# Altium PCB Zenit Stand PCB_2.PcbDoc (part 2 of 2)
Units mm, origin at the board's own origin, x right, y up, seen from the top; angles counter-clockwise.
Board outline 177.55 x 120.61 mm, 2 copper layers (Top Layer, Bottom Layer); 178 components, 270 nets, 816 pads, 93 vias.
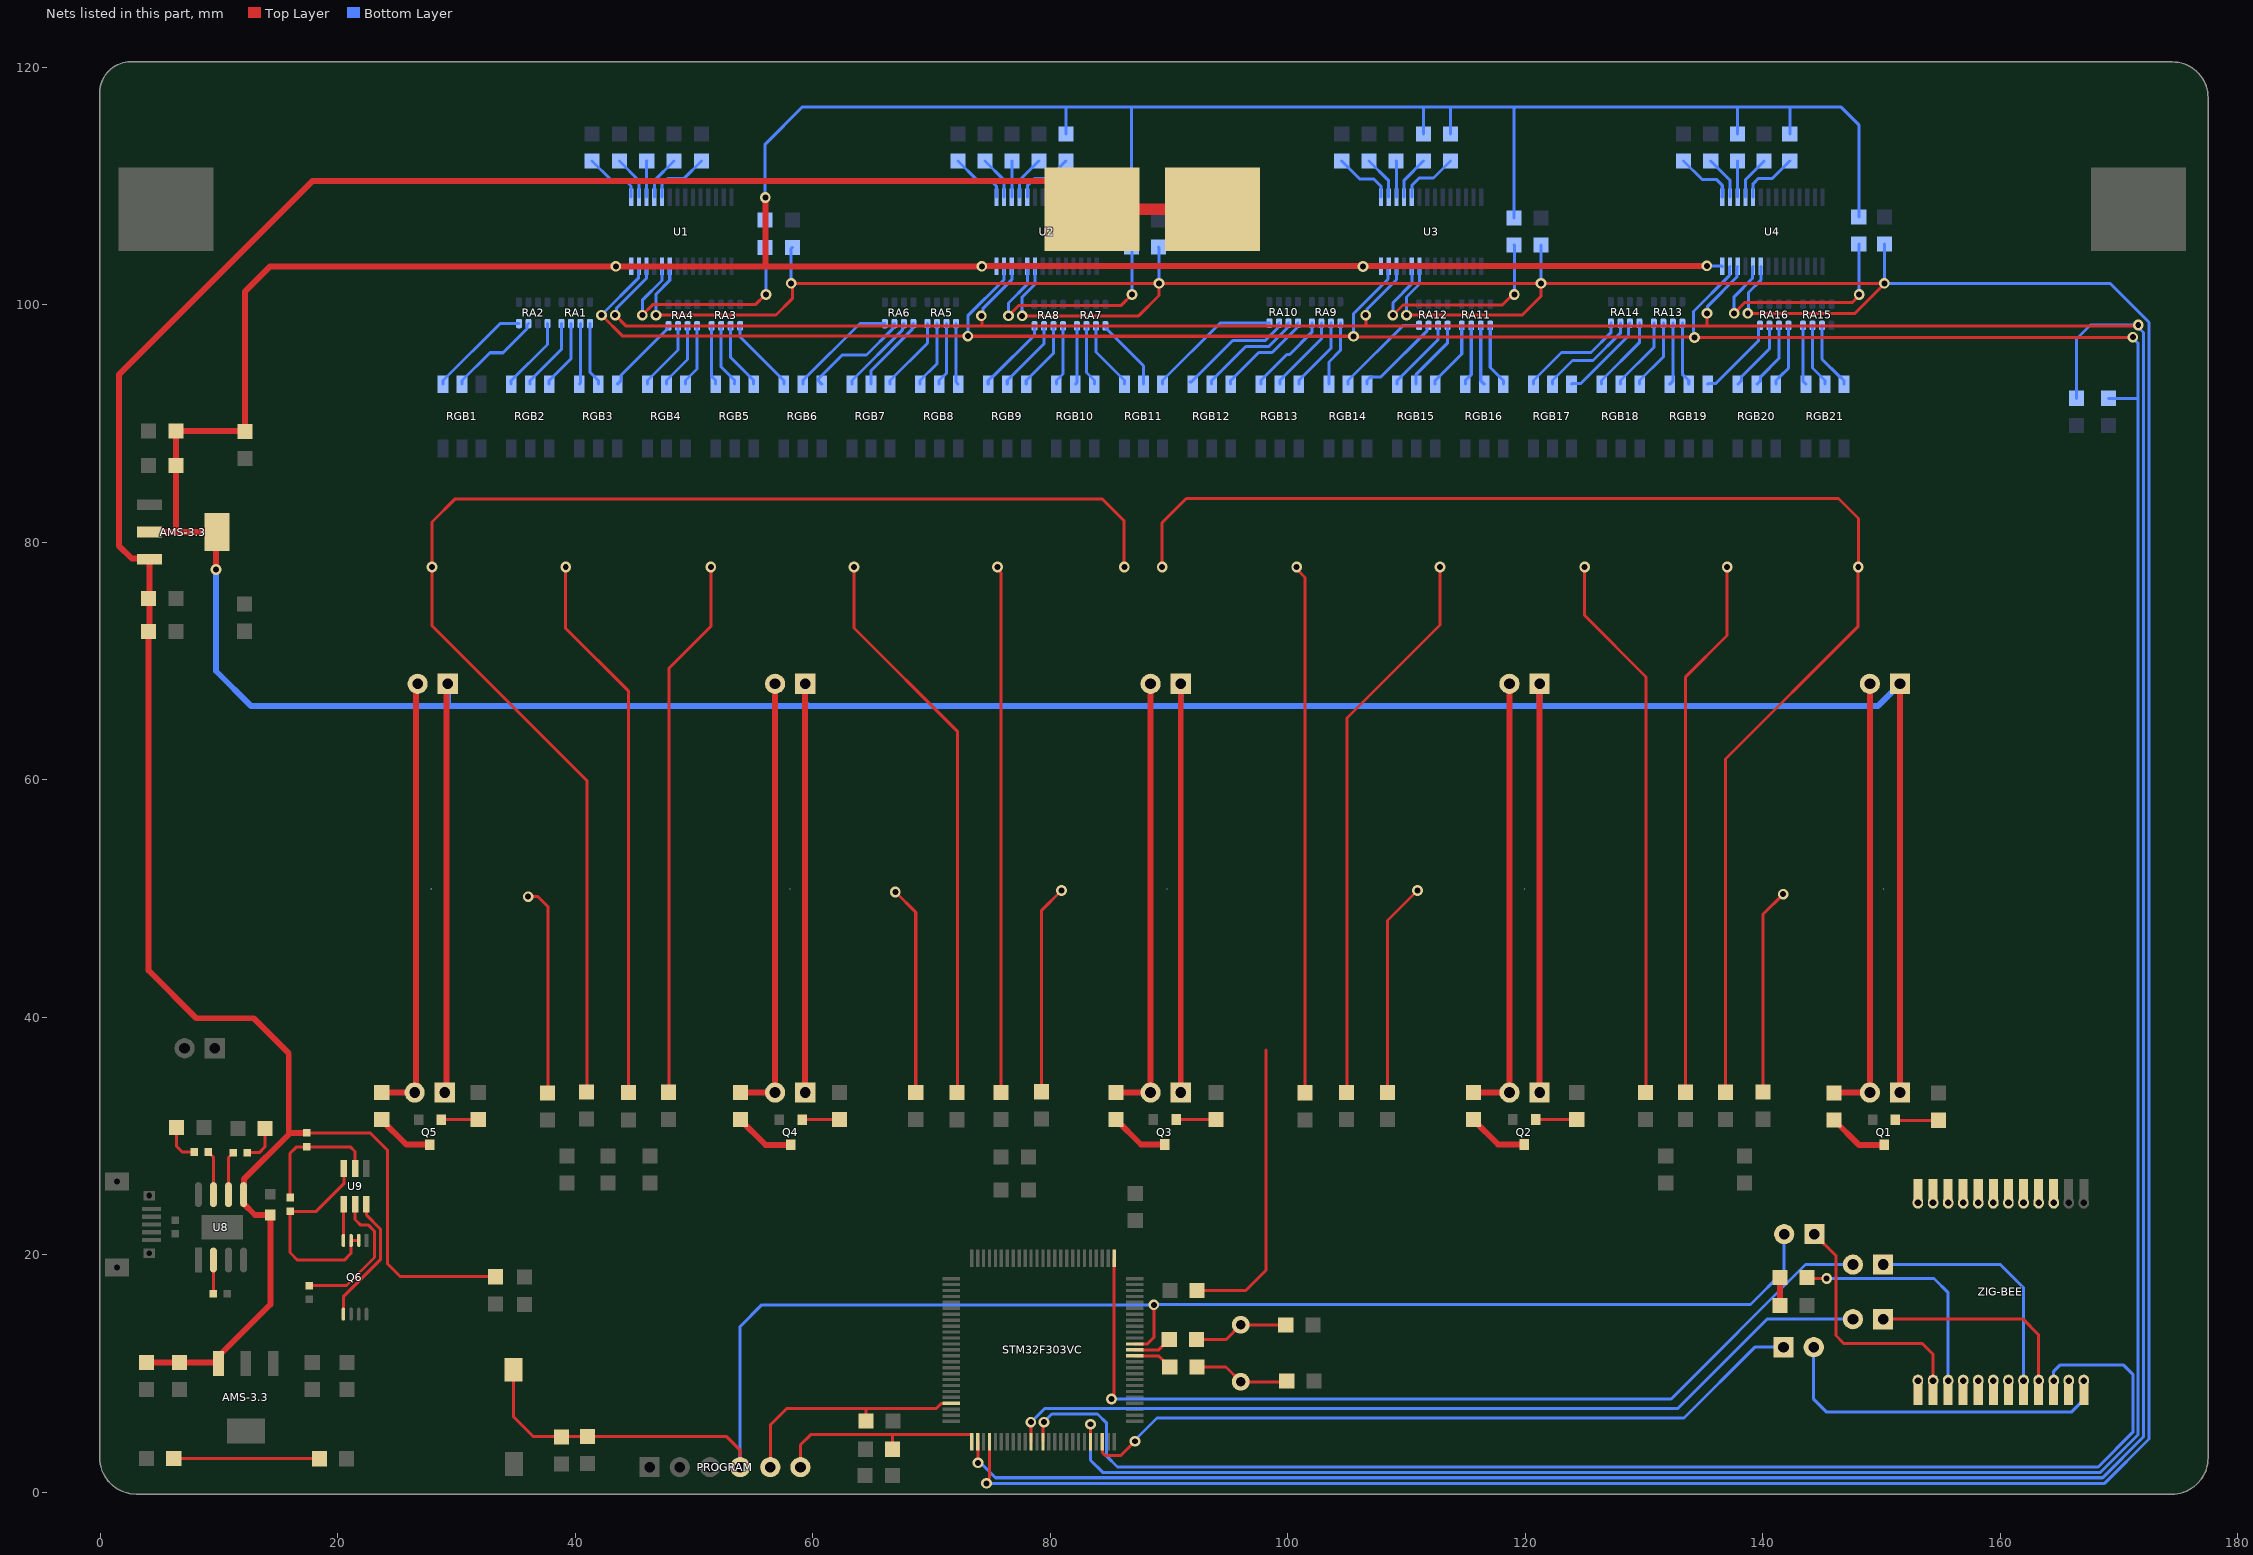
[diagram p2: the nets of this part, all layers, seen from the top]

## Via types
v1: diameter 0.9, hole 0.5, Top Layer to Bottom Layer, tented both sides, 93 vias

## Nets (pads, with @x,y where several pads share a name; then routed paths per layer and width w, separated by ;. In a path a pad name is that pad's centre, name@x,y a point inside that pad or via, vN(x,y) a via of type N, cw(c..) or ccw(c..) an arc to the next point about the centre after c; other vN are vias at no path point) (continued)
LEDR2: RA2.3 RGB1.3 | length 8.1
  Bottom Layer w0.254: RGB1.3@30.474,93.332 30.474,93.632 32.82,95.979 33.915,95.979 35.939,98.002 35.939,98.318 RA2.3@36.062,98.441
LEDR3: RA2.4 RGB1.1 | length 8.7
  Bottom Layer w0.254: RGB1.1@28.873,93.332 28.873,93.632 33.682,98.441 RA2.4@35.262,98.441
LEDR4: RA1.3 RGB2.5 | length 5.9
  Bottom Layer w0.254: RGB2.5@37.813,93.332 37.813,93.632 39.649,95.469 RA1.3@39.649,98.441
LEDR5: RA1.4 RGB2.3 | length 6.2
  Bottom Layer w0.254: RGB2.3@36.213,93.332 36.213,93.632 38.849,96.269 RA1.4@38.849,98.441
LEDR6: RA2.1 RGB2.1 | length 6.4
  Bottom Layer w0.254: RGB2.1@34.613,93.332 34.613,93.632 37.662,96.681 RA2.1@37.662,98.441
LEDR7: RA4.8 RGB3.5 | length 6.7
  Bottom Layer w0.254: RGB3.5@43.552,93.332 43.875,93.655 43.875,94.101 47.866,98.093 RA4.8@47.866,98.243
LEDR8: RA1.1 RGB3.3 | length 5.4
  Bottom Layer w0.254: RA1.1@41.249,98.441 41.249,94.335 41.952,93.632 RGB3.3@41.952,93.332
LEDR9: RA1.2 RGB3.1 | length 5.1
  Bottom Layer w0.254: RGB3.1@40.352,93.332 40.449,93.43 RA1.2@40.449,98.441
LEDR10: RA4.5 RGB4.5 | length 5.3
  Bottom Layer w0.254: RGB4.5@49.291,93.332 49.291,93.632 50.266,94.608 RA4.5@50.266,98.243
LEDR11: RA4.6 RGB4.3 | length 5.6
  Bottom Layer w0.254: RGB4.3@47.691,93.332 47.691,93.632 49.466,95.408 RA4.6@49.466,98.243
LEDR12: RA4.7 RGB4.1 | length 6
  Bottom Layer w0.254: RGB4.1@46.091,93.332 46.091,93.632 48.666,96.208 RA4.7@48.666,98.243
LEDR13: RA3.6 RGB5.5 | length 5.7
  Bottom Layer w0.254: RA3.6@53.092,98.243 53.092,95.57 55.03,93.632 RGB5.5@55.03,93.332
LEDR14: RA3.7 RGB5.3 | length 5.4
  Bottom Layer w0.254: RA3.7@52.292,98.243 52.292,94.77 53.43,93.632 RGB5.3@53.43,93.332
LEDR15: RA3.8 RGB5.1 | length 5.1
  Bottom Layer w0.254: RA3.8@51.492,98.243 51.492,93.97 51.83,93.632 RGB5.1@51.83,93.332
LEDR16: RA6.3 RGB6.5 | length 9.1
  Bottom Layer w0.254: RGB6.5@60.77,93.332 60.51,93.592 60.51,93.803 62.492,95.785 64.538,95.785 66.755,98.002 66.755,98.318 RA6.3@66.878,98.441
LEDR17: RA6.4 RGB6.3 | length 9.2
  Bottom Layer w0.254: RGB6.3@59.169,93.332 59.169,93.632 63.978,98.441 RA6.4@66.078,98.441
LEDR18: RA3.5 RGB6.1 | length 6.4
  Bottom Layer w0.254: RA3.5@53.892,98.243 53.892,97.309 57.569,93.632 RGB6.1@57.569,93.332
LEDR19: RA5.4 RGB7.5 | length 6.4
  Bottom Layer w0.254: RGB7.5@66.509,93.332 66.509,93.632 69.666,96.79 RA5.4@69.666,98.441
LEDR20: RA6.1 RGB7.3 | length 6.6
  Bottom Layer w0.254: RGB7.3@64.908,93.332 64.908,94.463 68.355,97.91 68.355,98.318 RA6.1@68.478,98.441
LEDR21: RA6.2 RGB7.1 | length 6.9
  Bottom Layer w0.254: RGB7.1@63.308,93.332 63.308,93.632 67.555,97.879 67.555,98.318 RA6.2@67.678,98.441
LEDR22: RA5.1 RGB8.5 | length 5.2
  Bottom Layer w0.254: RA5.1@72.066,98.441 72.066,93.514 RGB8.5@72.248,93.332
LEDR23: RA5.2 RGB8.3 | length 5.4
  Bottom Layer w0.254: RGB8.3@70.648,93.332 70.648,93.632 71.266,94.251 RA5.2@71.266,98.441
LEDR24: RA5.3 RGB8.1 | length 5.7
  Bottom Layer w0.254: RGB8.1@69.047,93.332 69.047,93.632 70.466,95.051 RA5.3@70.466,98.441
LEDR25: RA8.6 RGB9.5 | length 5.9
  Bottom Layer w0.254: RGB9.5@77.987,93.332 77.987,93.632 80.283,95.928 RA8.6@80.283,98.243
LEDR26: RA8.7 RGB9.3 | length 6.2
  Bottom Layer w0.254: RGB9.3@76.387,93.332 76.387,93.632 79.483,96.729 RA8.7@79.483,98.243
LEDR27: RA8.8 RGB9.1 | length 6.6
  Bottom Layer w0.254: RGB9.1@74.786,93.332 74.786,93.632 75.109,93.955 75.177,93.955 78.683,97.462 RA8.8@78.683,98.243
LEDR28: RA7.7 RGB10.5 | length 5.2
  Bottom Layer w0.254: RA7.7@83.052,98.243 83.052,94.307 83.726,93.632 RGB10.5@83.726,93.332
LEDR29: RA7.8 RGB10.3 | length 5
  Bottom Layer w0.254: RGB10.3@82.126,93.332 82.252,93.458 RA7.8@82.252,98.243
LEDR30: RA8.5 RGB10.1 | length 5.1
  Bottom Layer w0.254: RGB10.1@80.526,93.332 80.526,93.632 81.083,94.19 RA8.5@81.083,98.243
LEDR31: RA10.4 RGB11.5 | length 11.3
  Bottom Layer w0.254: RGB11.5@89.465,93.332 89.465,93.632 94.307,98.474 RA10.4@98.463,98.474
LEDR32: RA7.5 RGB11.3 | length 6.2
  Bottom Layer w0.254: RA7.5@84.652,98.243 84.652,98.093 87.865,94.879 RGB11.3@87.865,93.332
LEDR33: RA7.6 RGB11.1 | length 5.9
  Bottom Layer w0.254: RA7.6@83.852,98.243 83.852,96.045 86.265,93.632 RGB11.1@86.265,93.332
LEDR34: RA10.1 RGB12.5 | length 8.1
  Bottom Layer w0.254: RGB12.5@95.204,93.332 95.204,93.632 97.568,95.996 98.7,95.996 100.74,98.036 100.74,98.351 RA10.1@100.863,98.474
LEDR35: RA10.2 RGB12.3 | length 8.9
  Bottom Layer w0.254: RGB12.3@93.604,93.332 93.604,93.632 96.475,96.504 98.011,96.504 98.408,96.504 99.94,98.036 99.94,98.351 RA10.2@100.063,98.474
LEDR36: RA10.3 RGB12.1 | length 9.7
  Bottom Layer w0.254: RGB12.1@91.792,93.497 91.868,93.497 95.383,97.012 98.116,97.012 99.14,98.036 99.14,98.351 RA10.3@99.263,98.474
LEDR37: RA9.2 RGB13.5 | length 6.3
  Bottom Layer w0.254: RGB13.5@100.943,93.332 100.943,93.632 103.638,96.327 RA9.2@103.638,98.474
LEDR38: RA9.3 RGB13.3 | length 6.6
  Bottom Layer w0.254: RGB13.3@99.343,93.332 99.343,93.632 102.838,97.127 RA9.3@102.838,98.474
LEDR39: RA9.4 RGB13.1 | length 7.1
  Bottom Layer w0.254: RGB13.1@97.743,93.332 97.743,93.632 99.935,95.824 100.169,95.824 102.038,97.693 RA9.4@102.038,98.474
LEDR40: RA12.7 RGB14.5 | length 7.6
  Bottom Layer w0.254: RGB14.5@106.683,93.332 106.683,93.632 107.006,93.955 107.869,93.955 111.751,97.837 111.751,98.153 RA12.7@111.874,98.276
LEDR41: RA12.8 RGB14.3 | length 8.2
  Bottom Layer w0.254: RGB14.3@105.082,93.332 105.082,93.632 109.726,98.276 RA12.8@111.074,98.276
LEDR42: RA9.1 RGB14.1 | length 5.5
  Bottom Layer w0.254: RGB14.1@103.482,93.332 103.482,95.208 104.438,96.164 RA9.1@104.438,98.474
LEDR43: RA11.8 RGB15.5 | length 5.9
  Bottom Layer w0.254: RGB15.5@112.422,93.332 112.422,93.632 114.662,95.873 RA11.8@114.662,98.276
LEDR44: RA12.5 RGB15.3 | length 6
  Bottom Layer w0.254: RGB15.3@110.821,93.332 110.821,94.159 113.474,96.812 RA12.5@113.474,98.276
LEDR45: RA12.6 RGB15.1 | length 6.4
  Bottom Layer w0.254: RGB15.1@109.221,93.332 109.221,93.632 112.674,97.085 RA12.6@112.674,98.276
LEDR46: RA11.5 RGB16.5 | length 5.4
  Bottom Layer w0.254: RA11.5@117.062,98.276 117.062,94.731 118.161,93.632 RGB16.5@118.161,93.332
LEDR47: RA11.6 RGB16.3 | length 5.1
  Bottom Layer w0.254: RA11.6@116.262,98.276 116.262,93.631 RGB16.3@116.561,93.332
LEDR48: RA11.7 RGB16.1 | length 5.2
  Bottom Layer w0.254: RGB16.1@114.96,93.332 114.96,93.632 115.462,94.134 RA11.7@115.462,98.276
LEDR49: RA14.2 RGB17.5 | length 7.6
  Bottom Layer w0.254: RGB17.5@123.9,93.332 123.976,93.408 124.708,93.408 128.693,97.394 128.693,98.351 RA14.2@128.816,98.474
LEDR50: RA14.3 RGB17.3 | length 8.5
  Bottom Layer w0.254: RGB17.3@122.3,93.332 122.3,93.632 123.987,95.32 125.724,95.32 128.016,97.612 RA14.3@128.016,98.474
LEDR51: RA14.4 RGB17.1 | length 9.3
  Bottom Layer w0.254: RGB17.1@120.7,93.332 120.7,93.632 123.067,95.999 125.552,95.999 127.216,97.663 RA14.4@127.216,98.474
LEDR52: RA13.3 RGB18.5 | length 6
  Bottom Layer w0.254: RGB18.5@129.639,93.332 129.639,93.632 131.636,95.629 RA13.3@131.636,98.474
LEDR53: RA13.4 RGB18.3 | length 6.3
  Bottom Layer w0.254: RGB18.3@128.039,93.332 128.039,93.632 130.836,96.429 RA13.4@130.836,98.474
LEDR54: RA14.1 RGB18.1 | length 6.5
  Bottom Layer w0.254: RGB18.1@126.439,93.332 126.439,93.632 129.616,96.81 RA14.1@129.616,98.474
LEDR55: RA16.8 RGB19.5 | length 7.1
  Bottom Layer w0.254: RGB19.5@135.378,93.332 135.434,93.388 136.06,93.388 139.654,96.982 139.654,98.153 RA16.8@139.776,98.276
LEDR56: RA13.1 RGB19.3 | length 5.4
  Bottom Layer w0.254: RA13.1@133.236,98.474 133.236,94.175 133.778,93.632 RGB19.3@133.778,93.332
LEDR57: RA13.2 RGB19.1 | length 5.2
  Bottom Layer w0.254: RGB19.1@132.178,93.332 132.436,93.59 RA13.2@132.436,98.474
LEDR58: RA16.5 RGB20.5 | length 5.4
  Bottom Layer w0.254: RGB20.5@141.117,93.332 141.117,93.632 141.44,93.955 141.448,93.955 142.177,94.684 RA16.5@142.177,98.276
LEDR59: RA16.6 RGB20.3 | length 5.7
  Bottom Layer w0.254: RGB20.3@139.517,93.332 139.84,93.655 139.84,93.968 141.376,95.504 RA16.6@141.376,98.276
LEDR60: RA16.7 RGB20.1 | length 6
  Bottom Layer w0.254: RGB20.1@137.917,93.332 138.24,93.655 138.24,93.98 140.577,96.317 RA16.7@140.577,98.276
LEDR61: RA15.6 RGB21.5 | length 5.7
  Bottom Layer w0.254: RA15.6@145.002,98.276 145.002,95.441 146.487,93.955 146.533,93.955 146.856,93.632 RGB21.5@146.856,93.332
LEDR62: RA15.7 RGB21.3 | length 5.4
  Bottom Layer w0.254: RA15.7@144.202,98.276 144.202,94.686 145.256,93.632 RGB21.3@145.256,93.332
LEDR63: RA15.8 RGB21.1 | length 5
  Bottom Layer w0.254: RA15.8@143.402,98.276 143.402,93.586 RGB21.1@143.656,93.332
Net40_1: Q5.1 R40.1@31.839,31.394 | length 3.1
  Top Layer w0.254: Q5.1@28.718,31.385 28.728,31.394 R40.1@31.839,31.394
NetC1_2: C1.2 OSC1.2 R35.2 | length 8.1
  Top Layer w0.254: R35.2@92.361,10.56 94.812,10.56 OSC1.2@96.05,9.322 99.873,9.322 C1.2@99.924,9.373
NetC2_2: C2.2 OSC1.1 R36.2 | length 8
  Top Layer w0.254: R36.2@92.316,12.89 94.818,12.89 OSC1.1@96.05,14.122 99.835,14.122 C2.2@99.841,14.116
NetC21_1: C21.1 Q6.2 Q6.3 U9.6 | length 17.6
  Top Layer w0.254: U9.6@20.514,27.282 20.514,25.988 18.199,23.673 C21.1@15.988,23.673 15.988,20.201 16.624,19.564 20.555,19.564 21.126,20.136 Q6.3@21.126,21.222 Q6.2@21.776,21.222
NetC21_2: C21.2 R74.2 U9.5 | length 11
  Top Layer w0.254: C21.2@15.988,24.841 15.988,28.555 16.542,29.108 R74.2@17.411,29.108 21.063,29.108 21.464,28.707 U9.5@21.464,27.282
NetLED1_1: LED.1@6.198,2.864 R1.2@18.466,2.839 | length 12.3
  Top Layer w0.254: LED.1@6.21,2.851 R1.2@18.453,2.851
  Top Layer w0.5: LED.1@6.198,2.864 LED.1@6.21,2.851 ; R1.2@18.453,2.851 R1.2@18.466,2.839
NetLED2_1: LED.1@141.461,15.735 R8.2 | length 2.4
  Top Layer w0.254: LED.1@141.453,15.743 LED.1@141.461,15.735
  Top Layer w0.5: LED.1@141.453,15.743 R8.2@141.453,18.098
NetLED3_2: LED.2@149.034,33.68 LED.2@149.034,68.097 R18.1 | length 37.5
  Top Layer w0.5: R18.1@146.012,33.655 146.024,33.668 149.022,33.668 LED.2@149.034,33.68 LED.2@149.034,68.097
NetLED5_2: LED.2@118.681,33.68 LED.2@118.681,68.097 R20.1 | length 37.5
  Top Layer w0.5: R20.1@115.633,33.68 118.681,33.68 LED.2@118.681,68.097
NetLED7_2: LED.2@88.456,33.68 LED.2@88.456,68.097 R22.1 | length 37.3
  Top Layer w0.5: R22.1@85.56,33.68 88.455,33.68 LED.2@88.456,68.097
NetLED9_2: LED.2@56.832,33.68 LED.2@56.832,68.097 R24.1 | length 37.3
  Top Layer w0.5: R24.1@53.911,33.68 56.832,33.68 LED.2@56.832,68.097
NetLED11_2: LED.2@26.479,33.68 LED.2@26.733,68.097 R26.1 | length 37.3
  Top Layer w0.5: R26.1@23.711,33.68 LED.2@26.479,33.68 ; LED.2@26.607,33.807 LED.2@26.607,67.97
  Top Layer w1: LED.2@26.479,33.68 LED.2@26.607,33.807 ; LED.2@26.607,67.97 LED.2@26.733,68.097
NetLED13_2: LED.2@6.44,30.74 R68.1 | length 3.3
  Top Layer w0.254: LED.2@6.44,30.74 6.44,29.133 6.902,28.67 R68.1@7.925,28.67
NetLED14_2: LED.2@13.889,30.639 R69.1 | length 3.2
  Top Layer w0.254: R69.1@12.389,28.619 13.399,28.619 13.889,29.11 LED.2@13.889,30.639
NetQ1_1: Q1.1 R19.1 | length 3.7
  Top Layer w0.254: Q1.1@151.178,31.378 151.213,31.344 R19.1@154.8,31.344
  Top Layer w0.5: R19.1@154.783,31.361 R19.1@154.8,31.344
NetQ1_3: Q1.3 R18.2 | length 5.1
  Top Layer w0.5: R18.2@146.012,31.369 148.103,29.278 Q1.3@150.228,29.278
NetQ2_1: Q2.1 R21.1 | length 3.5
  Top Layer w0.254: Q2.1@120.876,31.404 120.886,31.394 R21.1@124.346,31.394
  Top Layer w0.5: R21.1@124.341,31.399 R21.1@124.346,31.394
NetQ2_3: Q2.3 R20.2 | length 5.2
  Top Layer w0.5: R20.2@115.633,31.394 117.724,29.304 Q2.3@119.926,29.304
NetQ3_1: Q3.1 R23.1 | length 3.4
  Top Layer w0.254: Q3.1@90.599,31.404 90.609,31.394 R23.1@93.967,31.394
  Top Layer w0.5: R23.1@93.963,31.399 R23.1@93.967,31.394
NetQ3_3: Q3.3 R22.2 | length 5
  Top Layer w0.5: R22.2@85.564,31.399 R22.2@85.56,31.394 87.651,29.304 Q3.3@89.649,29.304
NetQ4_1: Q4.1 R25.1 | length 3.1
  Top Layer w0.254: Q4.1@59.103,31.378 59.119,31.394 R25.1@62.243,31.394
NetQ4_3: Q4.3 R24.2 | length 5.1
  Top Layer w0.5: R24.2@53.911,31.394 56.028,29.278 Q4.3@58.153,29.278
NetQ5_3: Q5.3 R26.2 | length 5
  Top Layer w0.5: R26.2@23.711,31.394 23.715,31.399 23.681,31.399 25.795,29.285 Q5.3@27.768,29.285
NetQ6_4: Q6.4 U9.1 | length 3.1
  Top Layer w0.254: Q6.4@20.476,21.222 20.485,21.23 20.485,24.253 U9.1@20.514,24.282
NetQ6_5: Q6.5 U9.3 | length 11
  Top Layer w0.254: Q6.5@20.476,15.022 20.476,16.476 23.597,19.596 23.597,22.195 22.441,23.35 22.441,24.256 U9.3@22.414,24.282
NetR3_2: R3.2 | length 44.6
  Top Layer w0.254: v1(100.755,77.94) 100.755,77.765 101.46,77.06 101.46,36.411 R3.2@101.46,33.661
NetR4_2: R4.2 | length 44.4
  Top Layer w0.254: v1(75.565,77.94) 75.565,77.765 75.851,77.479 75.851,36.081 R4.2@75.851,33.655
NetR5_2: R5.2 | length 47.9
  Top Layer w0.254: v1(63.487,77.94) 63.487,72.796 72.18,64.103 R5.2@72.18,33.674
NetR6_2: R27.2 Touch4.1 | length 17.6
  Top Layer w0.254: v1(66.967,50.571) 68.682,48.857 R27.2@68.682,33.687
NetR7_2: R7.2 | length 116.9
  Top Layer w0.254: v1(89.427,77.94) 89.427,81.655 91.472,83.699 146.393,83.699 148.076,82.017 v1@148.076,77.94 ; R7.2@136.881,33.655 136.881,33.706 136.881,61.766 148.05,72.936 v1(148.05,77.94)
NetR8_1: R8.1 ZIG-BEE.B10 | length 19.8
  Top Layer w0.254: R8.1@143.739,18.098 143.822,18.015 v1(145.396,18.015)
  Bottom Layer w0.254: v1(145.396,18.015) 147.533,18.015 ccw(c147.606,19.19) 147.678,18.015 149.158,18.015 149.16,18.013 151.131,18.013 151.133,18.015 154.426,18.015 155.62,16.82 ZIG-BEE.B10@155.62,9.41
NetR68_2: R68.2 U8.7 | length 3.8
  Top Layer w0.254: R68.2@9.093,28.67 9.537,28.227 U8.7@9.537,25.077
NetR69_2: R69.2 U8.6 | length 3.7
  Top Layer w0.254: U8.6@10.807,25.077 10.807,28.206 R69.2@11.22,28.619
NetR70_2: R70.2 U8.2 | length 2.8
  Top Layer w0.254: R70.2@9.537,16.739 U8.2@9.537,19.577
NetR71_2: R71.2 U9.2 | length 12
  Top Layer w0.254: R71.2@17.614,17.424 20.739,17.424 23.108,19.793 23.108,22.009 22.612,22.504 21.939,22.504 21.464,22.979 U9.2@21.464,24.282
NetU7_B4: TXD.1 ZIG-BEE.B4 | length 17.5
  Top Layer w0.254: TXD.1@150.146,14.592 161.938,14.592 163.24,13.29 ZIG-BEE.B4@163.24,9.41
NetU7_B5: RXD.1 ZIG-BEE.B5 | length 20.5
  Bottom Layer w0.254: RXD.1@150.146,19.19 160.02,19.19 161.97,17.239 ZIG-BEE.B5@161.97,9.41
NewNet1: ZIG-BEE.A3
NewNet2: ZIG-BEE.A4
NewNet3: ZIG-BEE.A5
NewNet4: ZIG-BEE.A6
NewNet5: ZIG-BEE.A7
NewNet6: ZIG-BEE.A8
NewNet7: ZIG-BEE.A9
NewNet8: ZIG-BEE.A10
NewNet9: ZIG-BEE.A11
NewNet10: ZIG-BEE.A12
NewNet11: ZIG-BEE.B12
NewNet12: ZIG-BEE.B9
NewNet13: ZIG-BEE.B8
NewNet14: ZIG-BEE.B7
NewNet15: ZIG-BEE.B6
NewNet16: ZIG-BEE.B2
NewNet17: R6.2 | length 45.7
  Top Layer w0.254: R6.2@133.521,33.655 133.521,68.688 137.008,72.174 v1(137.008,77.94)
NewNet18: C8.2 Touch1.1 | length 17.4
  Top Layer w0.254: C8.2@140.011,33.655 140.011,48.666 v1(141.732,50.387)
NewNet19: R32.1 | length 47.5
  Top Layer w0.254: R32.1@104.997,33.68 104.997,65.214 112.833,73.05 v1(112.833,77.94)
NewNet20: R31.1 Touch2.1 | length 18.1
  Top Layer w0.254: R31.1@108.401,33.655 108.401,48.165 v1(110.934,50.698)
NewNet21: R30.2 | length 46.4
  Top Layer w0.254: v1(125.012,77.94) 125.012,73.85 130.181,68.682 R30.2@130.181,33.655
NewNet22: R34.1 Touch5.1 | length 17.1
  Top Layer w0.254: v1(36.036,50.178) 36.862,50.178 37.706,49.333 37.706,35.757 R34.1@37.706,34.258
NewNet23: R33.1 | length 116.7
  Top Layer w0.254: R33.1@41.008,34.176 41.008,59.912 27.94,72.981 27.94,81.724 29.896,83.68 84.366,83.68 86.201,81.844 86.201,77.991 v1(86.252,77.94)
  other v1: 27.94,77.94
NewNet24: R29.2 | length 45.9
  Top Layer w0.254: v1(39.205,77.94) 39.205,72.758 44.501,67.462 44.501,35.852 R29.2@44.501,34.214
NewNet25: R28.2 | length 45.2
  Top Layer w0.254: R28.2@47.885,34.252 47.885,35.82 47.885,69.386 51.429,72.93 v1(51.429,77.94)
NewNet26: R9.2 Touch3.1 | length 17.6
  Top Layer w0.254: R9.2@79.286,33.744 79.286,49.022 v1(80.962,50.698)
NRST: C7.2 NRST.2 PROGRAM.4 R2.2 RESET.1@34.816,10.333 STM32F303VC.14 | length 135
  Top Layer w0.254: RESET.1@34.816,10.333 34.816,6.357 36.443,4.731 38.856,4.731 41.053,4.731 52.718,4.731 53.892,3.556 PROGRAM.4@53.892,2.134 ; STM32F303VC.14@87.114,12.508 88.187,12.508 88.735,13.056 v1(88.735,15.805)
  Bottom Layer w0.254: PROGRAM.4@53.892,2.134 53.892,13.976 55.721,15.805 v1(88.735,15.805) 88.754,15.824 138.97,15.824 141.815,18.669 NRST.2@141.815,21.755
OE: R77.1 R78.1 R79.1 R80.1 STM32F303VC.79 U1.23 U2.23 U3.23 U4.23 | length 395.9
  Top Layer w0.254: v1(46.799,99.149) 56.909,99.149 58.287,100.527 v1@58.287,101.733 ; v1(58.191,101.829) v1(89.167,101.829) ; v1(74.632,0.768) 74.632,0.943 74.893,1.205 STM32F303VC.79@74.893,4.286 ; v1(77.641,99.085) 87.459,99.085 89.167,100.794 v1(89.167,101.829) ; v1(110.007,99.149) 119.761,99.149 121.342,100.73 v1(121.342,101.829) ; v1(138.748,99.301) 147.784,99.301 150.247,101.765 v1(150.247,101.829) v1(121.342,101.829) ; v1(89.167,101.829) v1(121.342,101.829)
  Bottom Layer w0.254: v1(46.799,99.149) 46.799,100.908 47.964,102.073 U1.23@47.964,103.251 ; v1(58.191,101.829) 58.191,104.762 R78.1@58.287,104.857 ; v1(74.632,0.768) 168.804,0.768 172.533,4.497 172.533,98.543 169.247,101.829 v1(150.247,101.829) 150.247,105.131 R77.1@150.254,105.137 ; v1(77.641,99.085) 77.641,100.672 78.724,101.754 U2.23@78.724,103.251 ; R80.1@89.116,104.877 89.167,104.826 v1(89.167,101.829) ; v1(110.007,99.149) 110.007,100.667 111.109,101.768 U3.23@111.109,103.251 ; R79.1@121.336,105.048 121.342,105.042 v1(121.342,101.829) ; v1(138.748,99.301) 138.811,99.365 138.811,101.048 139.849,102.086 U4.23@139.849,103.251
OSC_IN: R35.1 STM32F303VC.12 | length 3.4
  Top Layer w0.254: STM32F303VC.12@87.115,11.508 89.127,11.508 89.567,11.068 R35.1@90.075,10.56
OSC_OUT: R36.1 STM32F303VC.13 | length 3.3
  Top Layer w0.254: STM32F303VC.13@87.114,12.008 89.148,12.008 R36.1@90.03,12.89
P1.1: NRST.1 ZIG-BEE.B11 | length 20.4
  Top Layer w0.254: NRST.1@144.355,21.755 146.173,19.937 146.173,13.218 146.856,12.535 153.46,12.535 154.35,11.645 ZIG-BEE.B11@154.35,9.41
RES-GND1: R37.2 U1.1 | length 5.1
  Bottom Layer w0.254: R37.2@41.421,112.128 42.971,110.579 44.153,110.579 44.704,110.028 44.704,109.104 U1.1@44.714,109.093
RES-GND2: R38.2 U1.2 | length 3.7
  Bottom Layer w0.254: R38.2@43.725,112.128 45.364,110.488 U1.2@45.364,109.093
RES-GND3: R39.2 U1.3 | length 3
  Bottom Layer w0.254: U1.3@46.014,109.093 46.014,112.115 R39.2@46.028,112.128
RES-GND4: R40.2@48.331,112.128 U1.4 | length 3.7
  Bottom Layer w0.254: U1.4@46.664,109.093 46.664,110.461 R40.2@48.331,112.128
RES-GND5: R41.2 U1.5 | length 5.2
  Bottom Layer w0.254: U1.5@47.314,109.093 47.314,110.148 47.835,110.668 49.174,110.668 R41.2@50.635,112.128
RES-GND6: R42.2 U2.1 | length 5
  Bottom Layer w0.254: R42.2@72.238,112.128 73.813,110.553 74.939,110.553 75.464,110.028 75.464,109.103 U2.1@75.474,109.093
RES-GND7: R43.2 U2.2 | length 3.7
  Bottom Layer w0.254: R43.2@74.508,112.128 76.124,110.512 U2.2@76.124,109.093
RES-GND8: R45.2 U2.3 | length 3
  Bottom Layer w0.254: U2.3@76.774,109.093 76.774,112.124 R45.2@76.778,112.128
RES-GND9: R46.2 U2.4 | length 3.7
  Bottom Layer w0.254: U2.4@77.424,109.093 77.424,110.504 R46.2@79.048,112.128
RES-GND10: R47.2 U3.1 | length 5.1
  Bottom Layer w0.254: R47.2@104.553,112.128 105.572,111.109 106.071,110.611 107.258,110.611 107.845,110.024 107.845,109.107 U3.1@107.859,109.093
RES-GND11: R48.2 U3.2 | length 3.7
  Bottom Layer w0.254: R48.2@106.845,112.128 108.509,110.465 U3.2@108.509,109.093
RES-GND12: R49.2 U3.3 | length 3
  Bottom Layer w0.254: R49.2@109.138,112.128 109.159,112.107 U3.3@109.159,109.093
RES-GND13: R50.2 U4.1 | length 5.1
  Bottom Layer w0.254: R50.2@133.344,112.128 134.893,110.579 136.1,110.579 136.599,110.08 U4.1@136.599,109.093
RES-GND14: R51.2 U4.2 | length 3.7
  Bottom Layer w0.254: R51.2@135.63,112.128 137.249,110.509 U4.2@137.249,109.093
RES-GND15: R52.2 U4.4 | length 3.7
  Bottom Layer w0.254: U4.4@138.549,109.093 138.549,110.552 R52.2@140.125,112.128
RES-VCC1: R54.2 U1.24 | length 19.9
  Top Layer w0.254: v1(45.655,99.149) 46.531,100.025 55.162,100.025 56.026,100.889 v1(56.064,100.889)
  Bottom Layer w0.254: v1(45.655,99.149) 45.655,100.405 47.314,102.065 U1.24@47.314,103.251 ; R54.2@56.001,104.857 56.064,104.794 v1(56.064,100.889)
RES-VCC2: R55.2 U2.5 | length 5.1
  Bottom Layer w0.254: U2.5@78.074,109.093 78.074,110.052 78.67,110.649 79.839,110.649 R55.2@81.318,112.128
RES-VCC3: R56.2 U2.24 | length 20
  Top Layer w0.254: v1(76.497,99.085) 77.38,99.968 85.992,99.968 86.9,100.876 v1(86.9,100.889)
  Bottom Layer w0.254: v1(76.497,99.085) 76.497,100.17 78.074,101.746 U2.24@78.074,103.251 ; R56.2@86.855,104.877 86.9,104.832 v1(86.9,100.889)
RES-VCC4: R57.2 U3.4 | length 3.7
  Bottom Layer w0.254: U3.4@109.809,109.093 109.809,110.507 R57.2@111.43,112.128
RES-VCC5: R58.2 U3.5 | length 5.1
  Bottom Layer w0.254: U3.5@110.459,109.093 110.459,110.071 111.074,110.687 112.281,110.687 R58.2@113.722,112.128
RES-VCC6: R59.2 U3.24 | length 19.9
  Top Layer w0.254: v1(108.863,99.149) 109.714,100 118.072,100 v1@119.088,101.016
  Bottom Layer w0.254: v1(108.863,99.149) 108.863,100.185 110.459,101.781 U3.24@110.459,103.251 ; R59.2@119.075,105.048 119.088,105.036 v1(119.088,100.889)
RES-VCC7: R60.2 U4.3 | length 3
  Bottom Layer w0.254: R60.2@137.884,112.128 137.899,112.113 U4.3@137.899,109.093
RES-VCC8: R61.2 U4.5 | length 5
  Bottom Layer w0.254: U4.5@139.199,109.093 139.199,110.218 139.649,110.668 140.824,110.668 R61.2@142.285,112.128
RES-VCC9: R62.2 U4.24 | length 20.4
  Top Layer w0.254: v1(137.603,99.301) 138.524,100.222 147.574,100.222 148.126,100.774 v1(148.126,100.889)
  Bottom Layer w0.254: v1(137.603,99.301) 137.603,100.697 139.148,102.242 139.148,103.2 U4.24@139.199,103.251 ; R62.2@148.095,105.137 148.126,105.105 v1(148.126,100.889) v1@148.126,100.584
RXD: RXD.2 STM32F303VC.26 | length 79.1
  Top Layer w0.254: v1(85.164,7.868) 85.164,8.042 85.393,8.271 STM32F303VC.26@85.393,19.729
  Bottom Layer w0.254: v1(85.164,7.868) 132.296,7.868 143.618,19.19 RXD.2@147.606,19.19
SCL: R84.1 STM32F303VC.77 U1.26 U2.26 U3.26 U4.26 | length 358.6
  Top Layer w0.254: v1(43.366,99.149) 44.299,98.215 74.251,98.215 ; STM32F303VC.77@73.893,4.286 73.906,4.274 73.906,2.51 v1(73.927,2.489) ; v1(74.208,99.085) 74.251,99.043 74.251,98.215 ; v1(106.574,99.149) 106.585,99.138 106.585,98.215 ; v1(135.314,99.301) 135.314,98.215 ; v1(171.632,98.311) 171.536,98.215 135.314,98.215 ; 74.251,98.215 106.585,98.215 ; 106.585,98.215 135.314,98.215
  Bottom Layer w0.254: v1(43.366,99.149) 43.47,99.253 43.47,99.712 46.014,102.256 U1.26@46.014,103.251 ; v1(73.927,2.489) 74.102,2.489 74.327,2.264 74.368,2.264 75.394,1.238 168.632,1.238 172.079,4.685 172.079,97.69 171.632,98.136 v1(171.632,98.311) 167.609,98.311 166.434,97.136 R84.1@166.434,92.145 ; v1(74.208,99.085) 74.331,99.209 74.331,99.691 76.774,102.133 U2.26@76.774,103.251 ; v1(106.574,99.149) 106.697,99.273 106.697,99.672 109.159,102.133 U3.26@109.159,103.251 ; v1(135.314,99.301) 135.377,99.364 135.377,99.906 137.848,102.377 137.848,103.2 U4.26@137.899,103.251
SDA: R83.1 STM32F303VC.96 U1.27 U2.27 U3.27 U4.27 | length 346.2
  Top Layer w0.254: v1(42.221,99.149) 43.999,97.371 v1(73.063,97.371) 73.066,97.368 105.54,97.368 v1(105.543,97.365) 105.597,97.311 134.204,97.311 v1(134.258,97.257) 134.277,97.275 171.159,97.275 v1(171.178,97.294) ; STM32F303VC.96@83.394,4.287 v1(83.395,5.747)
  Bottom Layer w0.254: v1(42.221,99.149) 45.314,102.241 45.314,103.2 U1.27@45.364,103.251 ; v1(73.063,97.371) 73.063,99.085 76.124,102.146 U2.27@76.124,103.251 ; v1(83.395,5.747) 83.395,2.724 84.426,1.692 168.444,1.692 171.625,4.873 171.625,92.132 ; v1@105.543,97.422 105.543,99.263 108.458,102.178 108.458,103.2 U3.27@108.509,103.251 ; v1(134.258,97.257) 134.169,97.346 134.169,99.444 137.198,102.473 137.198,103.2 U4.27@137.249,103.251 ; R83.1@169.119,92.145 171.612,92.145 171.625,92.132 ; v1(171.178,97.294) 171.178,97.202 171.625,96.755 171.625,92.132
Shield-Out: R17.2 | length 25.1
  Top Layer w0.254: R17.2@92.367,17.005 96.475,17.005 98.165,18.694 98.165,37.268
SWCLK: PROGRAM.6 R86.1 STM32F303VC.76 | length 18.4
  Top Layer w0.254: PROGRAM.6@58.972,2.134 58.972,4.013 59.83,4.87 66.732,4.87 73.38,4.87 73.393,4.858 STM32F303VC.76@73.393,4.286 ; R86.1@66.732,3.639 66.732,4.826
SWDIO: PROGRAM.5 R85.1 STM32F303VC.72 | length 20.6
  Top Layer w0.254: PROGRAM.5@56.432,2.134 56.432,5.69 57.804,7.061 64.478,7.061 ; R85.1@64.478,6.02 64.478,7.061 ; STM32F303VC.72@71.671,7.508 71.659,7.495 70.962,7.495 70.941,7.475 70.799,7.475 70.386,7.061 64.478,7.061
TXD: STM32F303VC.86 TXD.2 | length 74.5
  Top Layer w0.254: v1(78.37,5.922) 78.382,5.911 78.382,4.298 STM32F303VC.86@78.393,4.286
  Bottom Layer w0.254: v1(78.37,5.922) 78.393,5.922 79.532,7.061 132.829,7.061 140.36,14.592 TXD.2@147.606,14.592
VBAT: AMS-3.3.3 BAT1.1 BAT2.1 C3.2 C4.2 C22.2 R73.1 R74.1 U8.5 | length 232
  Top Layer w0.254: R74.1@17.411,30.277 22.752,30.277 24.181,28.848 24.181,19.285 25.298,18.167 R73.1@33.28,18.167
  Top Layer w0.5: C3.2@3.886,10.941 C4.2@6.68,10.941 9.897,10.941 AMS-3.3.3@9.968,10.87 9.968,11.47 14.337,15.839 C22.2@14.337,23.368 13.035,23.368 12.077,24.327 U8.5@12.077,25.077 12.096,25.096 12.096,25.916 12.096,26.37 16.003,30.277 ; R74.1@17.411,30.277 16.003,30.277 ; BAT2.1@83.537,108.064 81.149,110.452 17.888,110.452 1.575,94.139 1.575,79.734 2.661,78.648 4.086,78.648 AMS-3.3.3@4.154,78.58 4.154,75.292 4.154,72.569 C3.2@4.083,72.498 4.083,43.955 8.103,39.935 12.929,39.935 15.881,36.982 15.881,30.398 16.003,30.277
  Top Layer w1: BAT2.1@83.537,108.064 BAT1.1@93.673,108.064
VLED: AMS-3.3.2@4.154,80.88 AMS-3.3.4@9.854,80.88 C5.2@6.369,89.389 C6.2@6.369,86.468 LED.1@29.019,33.68 LED.1@29.273,68.097 LED.1@59.372,33.68 LED.1@59.372,68.097 LED.1@90.995,33.68 LED.1@90.995,68.097 LED.1@121.221,33.68 LED.1@121.221,68.097 LED.1@151.575,33.68 LED.1@151.575,68.097 R1.1@12.186,89.364 R54.1 R55.1 R56.1 R57.1 R58.1 R59.1 R60.1 R61.1 R62.1 U1.28 U2.28 U3.28 U4.28 | length 641.2
  Top Layer w0.5: AMS-3.3.2@4.154,80.88 6.407,80.88 ; v1(9.754,77.73) 9.754,80.78 AMS-3.3.4@9.854,80.88 6.407,80.88 ; LED.1@29.146,33.807 LED.1@29.146,67.97 ; v1(56.02,109.055) 56.02,103.251 ; LED.1@59.372,33.68 LED.1@59.372,68.097 ; LED.1@90.995,33.68 LED.1@90.995,68.097 ; v1(106.338,103.245) v1@106.338,103.273 ; LED.1@121.221,33.68 LED.1@121.221,68.097 ; v1(135.301,103.295) 135.279,103.273 v1@106.338,103.273 ; LED.1@151.575,33.68 LED.1@151.575,68.097 ; 6.407,80.88 6.369,80.918 C6.2@6.369,86.468 C5.2@6.369,89.389 12.16,89.389 R1.1@12.186,89.364 12.186,101.117 14.319,103.251 v1(43.421,103.251) 56.02,103.251 ; 56.02,103.251 v1(74.251,103.251) 74.273,103.273 v1@106.338,103.273
  Top Layer w1: LED.1@29.019,33.68 LED.1@29.146,33.807 ; LED.1@29.146,67.97 LED.1@29.273,68.097
  Bottom Layer w0.254: v1(43.421,103.251) U1.28@44.714,103.251 ; R54.1@56.001,107.143 56.001,113.538 59.15,116.688 81.312,116.688 ; v1(74.251,103.251) U2.28@75.474,103.251 ; R55.1@81.318,114.414 81.318,116.681 81.312,116.688 ; R56.1@86.855,107.163 86.855,116.611 86.779,116.688 ; v1(106.338,103.245) 107.852,103.245 U3.28@107.859,103.251 ; R57.1@111.43,114.414 111.43,116.561 111.303,116.688 ; R58.1@113.722,114.414 113.722,116.592 113.817,116.688 ; R59.1@119.075,107.334 119.075,116.567 119.196,116.688 ; v1(135.301,103.295) 136.554,103.295 U4.28@136.599,103.251 ; R60.1@137.884,114.414 137.884,116.554 137.751,116.688 ; R61.1@142.285,114.414 142.285,116.592 142.38,116.688 ; R62.1@148.095,107.423 148.095,115.17 146.577,116.688 142.38,116.688 ; 81.312,116.688 86.779,116.688 ; 86.779,116.688 111.303,116.688 ; 111.303,116.688 113.817,116.688 ; 113.817,116.688 119.196,116.688 ; 119.196,116.688 137.751,116.688 ; 137.751,116.688 142.38,116.688
  Bottom Layer w0.5: v1(9.754,77.73) 9.754,69.179 12.715,66.218 29.273,66.218 ; LED.1@29.273,68.097 29.273,66.218 ; LED.1@59.372,68.097 59.372,66.478 59.633,66.218 ; LED.1@90.995,68.097 90.995,66.262 91.04,66.218 ; LED.1@121.221,68.097 121.221,66.383 121.056,66.218 ; LED.1@151.575,68.097 149.695,66.218 121.056,66.218 ; 29.273,66.218 59.633,66.218 ; 59.633,66.218 91.04,66.218 ; 91.04,66.218 121.056,66.218
"Zigbee Reset": RESET.1@141.764,12.23 STM32F303VC.98 | length 62.2
  Top Layer w0.254: STM32F303VC.98@84.393,4.286 84.406,4.274 84.406,3.345 84.62,3.131 85.96,3.131 v1(87.141,4.312)
  Bottom Layer w0.254: v1(87.141,4.312) 87.141,4.42 88.989,6.267 133.375,6.267 139.338,12.23 RESET.1@141.764,12.23
"Zigbee Reset in": RESET.2@144.304,12.23 ZIG-BEE.B1 | length 29.6
  Bottom Layer w0.254: RESET.2@144.304,12.23 144.304,7.855 145.396,6.763 165.995,6.763 167.05,7.818 ZIG-BEE.B1@167.05,9.41
"Zigbee Sleep": STM32F303VC.88 ZIG-BEE.B3 | length 111.2
  Top Layer w0.254: STM32F303VC.88@79.393,4.286 79.406,4.299 79.406,5.836 v1(79.488,5.919)
  Bottom Layer w0.254: v1(79.488,5.919) 79.488,5.955 80.137,6.604 83.985,6.604 84.76,5.829 84.76,3.054 85.668,2.146 168.256,2.146 171.171,5.061 171.171,9.95 170.402,10.719 165.024,10.719 164.51,10.205 ZIG-BEE.B3@164.51,9.41
pads on no net: LED.1@12.16,74.809 Q6.1 Q6.8 R1.2@12.186,87.078 RA15.5 STM32F303VC.5 STM32F303VC.6 STM32F303VC.7 STM32F303VC.8 STM32F303VC.9 STM32F303VC.10 STM32F303VC.11 STM32F303VC.15 STM32F303VC.16 STM32F303VC.17 STM32F303VC.18 STM32F303VC.19 STM32F303VC.20 STM32F303VC.21 STM32F303VC.22 STM32F303VC.24 STM32F303VC.27 STM32F303VC.33 STM32F303VC.38 STM32F303VC.44 STM32F303VC.45 STM32F303VC.46 STM32F303VC.47 STM32F303VC.54 STM32F303VC.55 STM32F303VC.56 STM32F303VC.57 STM32F303VC.58 STM32F303VC.63 STM32F303VC.64 STM32F303VC.65 STM32F303VC.66 STM32F303VC.67 STM32F303VC.71 STM32F303VC.73 STM32F303VC.78 STM32F303VC.80 STM32F303VC.81 STM32F303VC.82 STM32F303VC.83 STM32F303VC.84 STM32F303VC.85 STM32F303VC.87 STM32F303VC.91 STM32F303VC.95 STM32F303VC.97 U8.9 U9.4 USB.2 USB.3 USB.4
copper on no net: | length 12.3
  Top Layer w0.254: 12.173,74.822 12.173,87.065
  Top Layer w0.5: 12.16,74.809 12.173,74.822 ; 12.173,87.065 12.186,87.078

## Polygon pours and split planes (outlines as drawn)
Shield-Out on Top Layer "NONET_L-01_P-001" (hatched 45Degree grid 1.2 track 0.254, remove dead copper, pour order 5): 164.433,65.024 153.365,65.024 153.365,86.633 23.741,86.633 23.741,64.167 14.199,64.167 14.199,37.141 164.433,37.141
GND on Top Layer "NONET_L-01_P-001" (solid, remove dead copper, pour order 7): 177.495,35.826 12.56,35.814 12.56,66.002 21.787,66.002 21.787,87.967 155.124,87.967 155.124,66.326 165.879,66.326 165.931,35.814 177.483,35.814 177.514,88.29 177.495,120.472 -0.038,120.472 -0.083,36.271 -0.083,0.102 0.14,-0.121 177.495,-0.121
GND on Bottom Layer "NONET_L-01_P-001" (solid, remove dead copper, pour order 6): 177.495,35.826 12.56,35.814 12.56,66.002 21.787,66.002 21.787,87.109 154.692,87.109 154.692,66.218 165.628,66.218 165.68,35.814 177.483,35.814 177.514,88.29 177.495,120.472 -0.038,120.472 -0.083,36.271 -0.083,0.102 0.14,-0.121 177.495,-0.121

## Keep-outs
Keep-Out Layer:
  the board outline again, w0.254

## Other copper
Bottom Layer:
  region net NetR7_2: 98.622,82.469 88.614,82.469 88.614,73.298 98.577,73.298 90.418,74.403 90.418,75.089 98.622,76.168 98.622,76.397 90.418,77.489 90.418,78.175 98.622,79.261 98.622,79.483 90.418,80.575 90.418,81.261
  region net NewNet23: 77.394,81.033 77.394,80.806 85.598,79.719 85.598,79.033 77.394,77.941 77.394,77.719 85.598,76.627 85.598,75.941 77.394,74.855 77.394,74.639 85.547,73.531 85.547,73.299 87.351,73.299 87.351,82.469 85.598,82.469 85.598,82.244
  region net NetR7_2: 138.97,81.033 138.97,80.806 147.174,79.719 147.174,79.033 138.97,77.941 138.97,77.719 147.174,76.627 147.174,75.941 138.97,74.855 138.97,74.639 147.123,73.531 147.123,73.299 148.927,73.299 148.927,82.469 147.174,82.469 147.174,82.244
  region net NewNet17: 126.898,81.033 126.898,80.806 135.103,79.719 135.103,79.033 126.898,77.941 126.898,77.719 135.103,76.627 135.103,75.941 126.898,74.855 126.898,74.639 135.052,73.531 135.052,73.299 146.895,73.299 138.704,74.41 138.704,75.083 146.895,76.169 146.895,76.398 138.704,77.496 138.704,78.17 146.895,79.255 146.895,79.478 138.704,80.583 138.704,81.256 146.938,82.469 135.103,82.469 135.103,82.244
  region net NetR3_2: 90.691,81.033 90.691,80.806 98.895,79.719 98.895,79.033 90.691,77.941 90.691,77.719 98.895,76.627 98.895,75.941 90.691,74.855 90.691,74.639 98.844,73.531 98.844,73.299 110.687,73.299 102.496,74.41 102.496,75.083 110.687,76.169 110.687,76.398 102.496,77.496 102.496,78.17 110.687,79.255 110.687,79.478 102.496,80.583 102.496,81.256 110.73,82.469 98.895,82.469 98.895,82.244
  region net NewNet21: 114.833,81.033 114.833,80.806 123.038,79.719 123.038,79.033 114.833,77.941 114.833,77.719 123.038,76.627 123.038,75.941 114.833,74.855 114.833,74.639 122.987,73.531 122.987,73.299 134.83,73.299 126.639,74.41 126.639,75.083 134.83,76.169 134.83,76.398 126.639,77.496 126.639,78.17 134.83,79.255 134.83,79.478 126.639,80.583 126.639,81.256 134.873,82.469 123.038,82.469 123.038,82.244
  region net NewNet19: 102.762,81.033 102.762,80.806 110.966,79.719 110.966,79.033 102.762,77.941 102.762,77.719 110.966,76.627 110.966,75.941 102.762,74.855 102.762,74.639 110.915,73.531 110.915,73.299 122.758,73.299 114.567,74.41 114.567,75.083 122.758,76.169 122.758,76.398 114.567,77.496 114.567,78.17 122.758,79.255 122.758,79.478 114.567,80.583 114.567,81.256 122.801,82.469 110.966,82.469 110.966,82.244
  region net NewNet23: 37.059,82.469 27.051,82.469 27.051,73.298 37.014,73.298 28.854,74.403 28.854,75.089 37.059,76.168 37.059,76.397 28.854,77.489 28.854,78.175 37.059,79.261 37.059,79.483 28.854,80.575 28.854,81.261
  region net NetR5_2: 53.257,81.033 53.257,80.806 61.462,79.719 61.462,79.033 53.257,77.941 53.257,77.719 61.462,76.627 61.462,75.941 53.257,74.855 53.257,74.639 61.411,73.531 61.411,73.299 73.254,73.299 65.063,74.41 65.063,75.083 73.254,76.169 73.254,76.398 65.063,77.496 65.063,78.17 73.254,79.255 73.254,79.478 65.063,80.583 65.063,81.256 73.297,82.469 61.462,82.469 61.462,82.244
  region net NewNet25: 41.192,81.033 41.192,80.806 49.397,79.719 49.397,79.033 41.192,77.941 41.192,77.719 49.397,76.627 49.397,75.941 41.192,74.855 41.192,74.639 49.346,73.531 49.346,73.299 61.189,73.299 52.998,74.41 52.998,75.083 61.189,76.169 61.189,76.398 52.998,77.496 52.998,78.17 61.189,79.255 61.189,79.478 52.998,80.583 52.998,81.256 61.232,82.469 49.397,82.469 49.397,82.244
  region net NewNet24: 29.121,81.033 29.121,80.806 37.325,79.719 37.325,79.033 29.121,77.941 29.121,77.719 37.325,76.627 37.325,75.941 29.121,74.855 29.121,74.639 37.274,73.531 37.274,73.299 49.117,73.299 40.926,74.41 40.926,75.083 49.117,76.169 49.117,76.398 40.926,77.496 40.926,78.17 49.117,79.255 49.117,79.478 40.926,80.583 40.926,81.256 49.16,82.469 37.325,82.469 37.325,82.244
  region net NetR4_2: 65.329,81.033 65.329,80.806 73.533,79.719 73.533,79.033 65.329,77.941 65.329,77.719 73.533,76.627 73.533,75.941 65.329,74.855 65.329,74.639 73.482,73.531 73.482,73.299 85.325,73.299 77.134,74.41 77.134,75.083 85.325,76.169 85.325,76.398 77.134,77.496 77.134,78.17 85.325,79.255 85.325,79.478 77.134,80.583 77.134,81.256 85.368,82.469 73.533,82.469 73.533,82.244

## Silkscreen, mask and mechanical layers (free items; w line width, h text height)
Top Overlay:
  lines w0.254: 25.957,34.455 cw(c27.8,33.68) 29.578,34.595 ; 25.961,32.918 ccw(c27.8,33.68) 29.581,32.79 ; 26.186,68.866 cw(c28.029,68.091) 29.807,69.005 ; 26.189,67.335 ccw(c28.029,68.097) 29.81,67.207 ; 26.302,34.366 26.302,35.001 ; 26.327,32.436 26.327,32.944 ; 26.53,68.777 26.53,69.412 ; 26.556,66.853 26.556,67.361 ; 26.683,32.055 26.683,32.969 ; 26.708,34.341 26.708,35.357 ; 26.911,66.472 26.911,67.386 ; 26.937,68.751 26.937,69.767 ; 27.064,31.877 27.064,33.198 ; 27.064,34.188 27.064,35.509 ; 27.292,66.294 27.292,67.615 ; 27.292,68.605 27.292,69.926 ; 27.394,31.775 27.394,35.611 ; 27.622,66.192 27.622,70.028 ; 56.259,34.455 cw(c58.102,33.68) 59.881,34.595 ; 56.263,32.918 ccw(c58.102,33.68) 59.883,32.79 ; 56.285,68.866 cw(c58.128,68.091) 59.906,69.005 ; 56.288,67.335 ccw(c58.128,68.097) 59.909,67.207 ; 56.604,34.366 56.604,35.001 ; 56.629,32.436 56.629,32.944 ; 56.629,68.777 56.629,69.412 ; 56.655,66.853 56.655,67.361 ; 56.985,32.055 56.985,32.969 ; 57.01,34.341 57.01,35.357 ; 57.01,66.472 57.01,67.386 ; 57.036,68.751 57.036,69.767 ; 57.366,31.877 57.366,33.198 ; 57.366,34.188 57.366,35.509 ; 57.391,66.294 57.391,67.615 ; 57.391,68.605 57.391,69.926 ; 57.696,31.775 57.696,35.611 ; 57.721,66.192 57.721,70.028 ; 87.908,34.455 cw(c89.751,33.68) 91.529,34.595 ; 87.911,32.918 ccw(c89.751,33.68) 91.532,32.79 ; 87.933,68.866 cw(c89.776,68.091) 91.554,69.005 ; 87.937,67.335 ccw(c89.776,68.097) 91.557,67.207 ; 88.252,34.366 88.252,35.001 ; 88.278,32.436 88.278,32.944 ; 88.278,68.777 88.278,69.412 ; 88.303,66.853 88.303,67.361 ; 88.633,32.055 88.633,32.969 ; 88.659,34.341 88.659,35.357 ; 88.659,66.472 88.659,67.386 ; 88.684,68.751 88.684,69.767 ; 89.014,31.877 89.014,33.198 ; 89.014,34.188 89.014,35.509 ; 89.04,66.294 89.04,67.615 ; 89.04,68.605 89.04,69.926 ; 89.344,31.775 89.344,35.611 ; 89.37,66.192 89.37,70.028 ; 118.134,34.455 cw(c119.977,33.68) 121.755,34.595 ; 118.134,68.866 cw(c119.977,68.091) 121.755,69.005 ; 118.137,32.918 ccw(c119.977,33.68) 121.758,32.79 ; 118.137,67.335 ccw(c119.977,68.097) 121.758,67.207 ; 118.478,34.366 118.478,35.001 ; 118.478,68.777 118.478,69.412 ; 118.504,32.436 118.504,32.944 ; 118.504,66.853 118.504,67.361 ; 118.859,32.055 118.859,32.969 ; 118.859,66.472 118.859,67.386 ; 118.885,34.341 118.885,35.357 ; 118.885,68.751 118.885,69.767 ; 119.24,31.877 119.24,33.198 ; 119.24,34.188 119.24,35.509 ; 119.24,66.294 119.24,67.615 ; 119.24,68.605 119.24,69.926 ; 119.57,31.775 119.57,35.611 ; 119.57,66.192 119.57,70.028 ; 148.487,34.43 cw(c150.33,33.655) 152.108,34.569 ; 148.487,68.84 cw(c150.33,68.066) 152.108,68.98 ; 148.49,32.893 ccw(c150.33,33.655) 152.111,32.765 ; 148.49,67.31 ccw(c150.33,68.072) 152.111,67.182 ; 148.831,34.341 148.831,34.976 ; 148.831,68.751 148.831,69.386 ; 148.857,32.41 148.857,32.918 ; 148.857,66.827 148.857,67.335 ; 149.212,32.029 149.212,32.944 ; 149.212,66.446 149.212,67.361 ; 149.238,34.315 149.238,35.331 ; 149.238,68.726 149.238,69.742 ; 149.593,31.852 149.593,33.172 ; 149.593,34.163 149.593,35.484 ; 149.593,66.269 149.593,67.589 ; 149.593,68.58 149.593,69.901 ; 149.923,31.75 149.923,35.585 ; 149.923,66.167 149.923,70.002
  text "+5" at 4.821,41.292 h1.3
  text "GND" at 8.523,41.273 h1.3
  text "+5" at 48.344,3.764 h1.3
  text "R" at 53.538,3.748 h1.3
  text "GND" at 45.099,3.738 h1.3
  text "+3.3" at 50.281,3.745 h1.3
  text "DIO" at 55.475,3.732 h1.3
  text "CLK" at 57.806,3.737 h1.3
Bottom Overlay:
  lines w0.254: 4.61,40.862 4.61,35.046 4.616,35.052 7.429,35.052 7.404,35.077 7.404,35.662 7.41,35.655 9.455,35.655 9.449,35.649 9.449,35.027 9.468,35.046 12.167,35.046 12.192,35.071 12.192,40.862 12.167,40.888 4.635,40.888 ; 44.996,3.397 44.996,0.851 60.236,0.851 60.236,3.391 60.211,3.416 45.015,3.416 ; 47.536,0.876 47.536,3.391 ; 50.076,0.819 50.076,3.378 ; 52.613,0.854 52.613,3.416 ; 55.181,0.851 55.181,3.473 ; 57.836,0.851 57.836,3.41 ; 95.059,10.535 97.091,10.535 ; 95.059,12.541 97.091,12.541 ; 96.075,9.925 96.075,10.535 ; 96.075,12.541 96.075,13.227 ; 143.024,10.966 143.024,13.516 ; 143.075,20.46 143.075,23.009 ; 148.866,17.92 148.866,20.469 ; 148.885,13.335 148.885,15.885 ; 152.057,10.179 152.07,10.192 167.97,10.192 167.932,10.154 167.932,8.35 ; 152.082,23.635 152.108,23.66 167.945,23.66 167.913,23.692 167.913,25.432 ; 168.669,25.381 168.669,8.369 168.688,8.35 ; 93.815,7.537 ccw(c96.092,8.21) 98.361,7.512 98.361,15.538 ccw(c96.088,14.873) 93.815,15.538 93.815,7.537 ; 95.085,11.043 97.066,11.043 97.066,12.033 95.085,12.033 95.085,11.043 ; 140.481,13.519 145.561,13.519 145.561,10.979 145.548,10.966 140.5,10.966 140.494,10.96 140.494,13.506 140.481,13.519 ; 140.532,23.012 140.545,23 140.545,20.453 140.551,20.46 145.599,20.46 145.612,20.472 145.612,23.012 140.532,23.012 ; 146.323,20.472 151.403,20.472 151.403,17.932 151.39,17.92 146.342,17.92 146.336,17.913 146.336,20.46 146.323,20.472 ; 146.342,15.888 151.422,15.888 151.422,13.348 151.409,13.335 146.361,13.335 146.355,13.329 146.355,15.875 146.342,15.888 ; 152.044,8.42 152.044,25.368 152.082,25.406 177.025,25.406 177.063,25.368 177.063,8.388 177.044,8.369 152.095,8.369 152.044,8.42
Bottom Solder:
  drawing of 17 lines, arcs and shapes, not listed